# KiCad board DIP8breakout+potToUSB.kicad_pcb (continued)
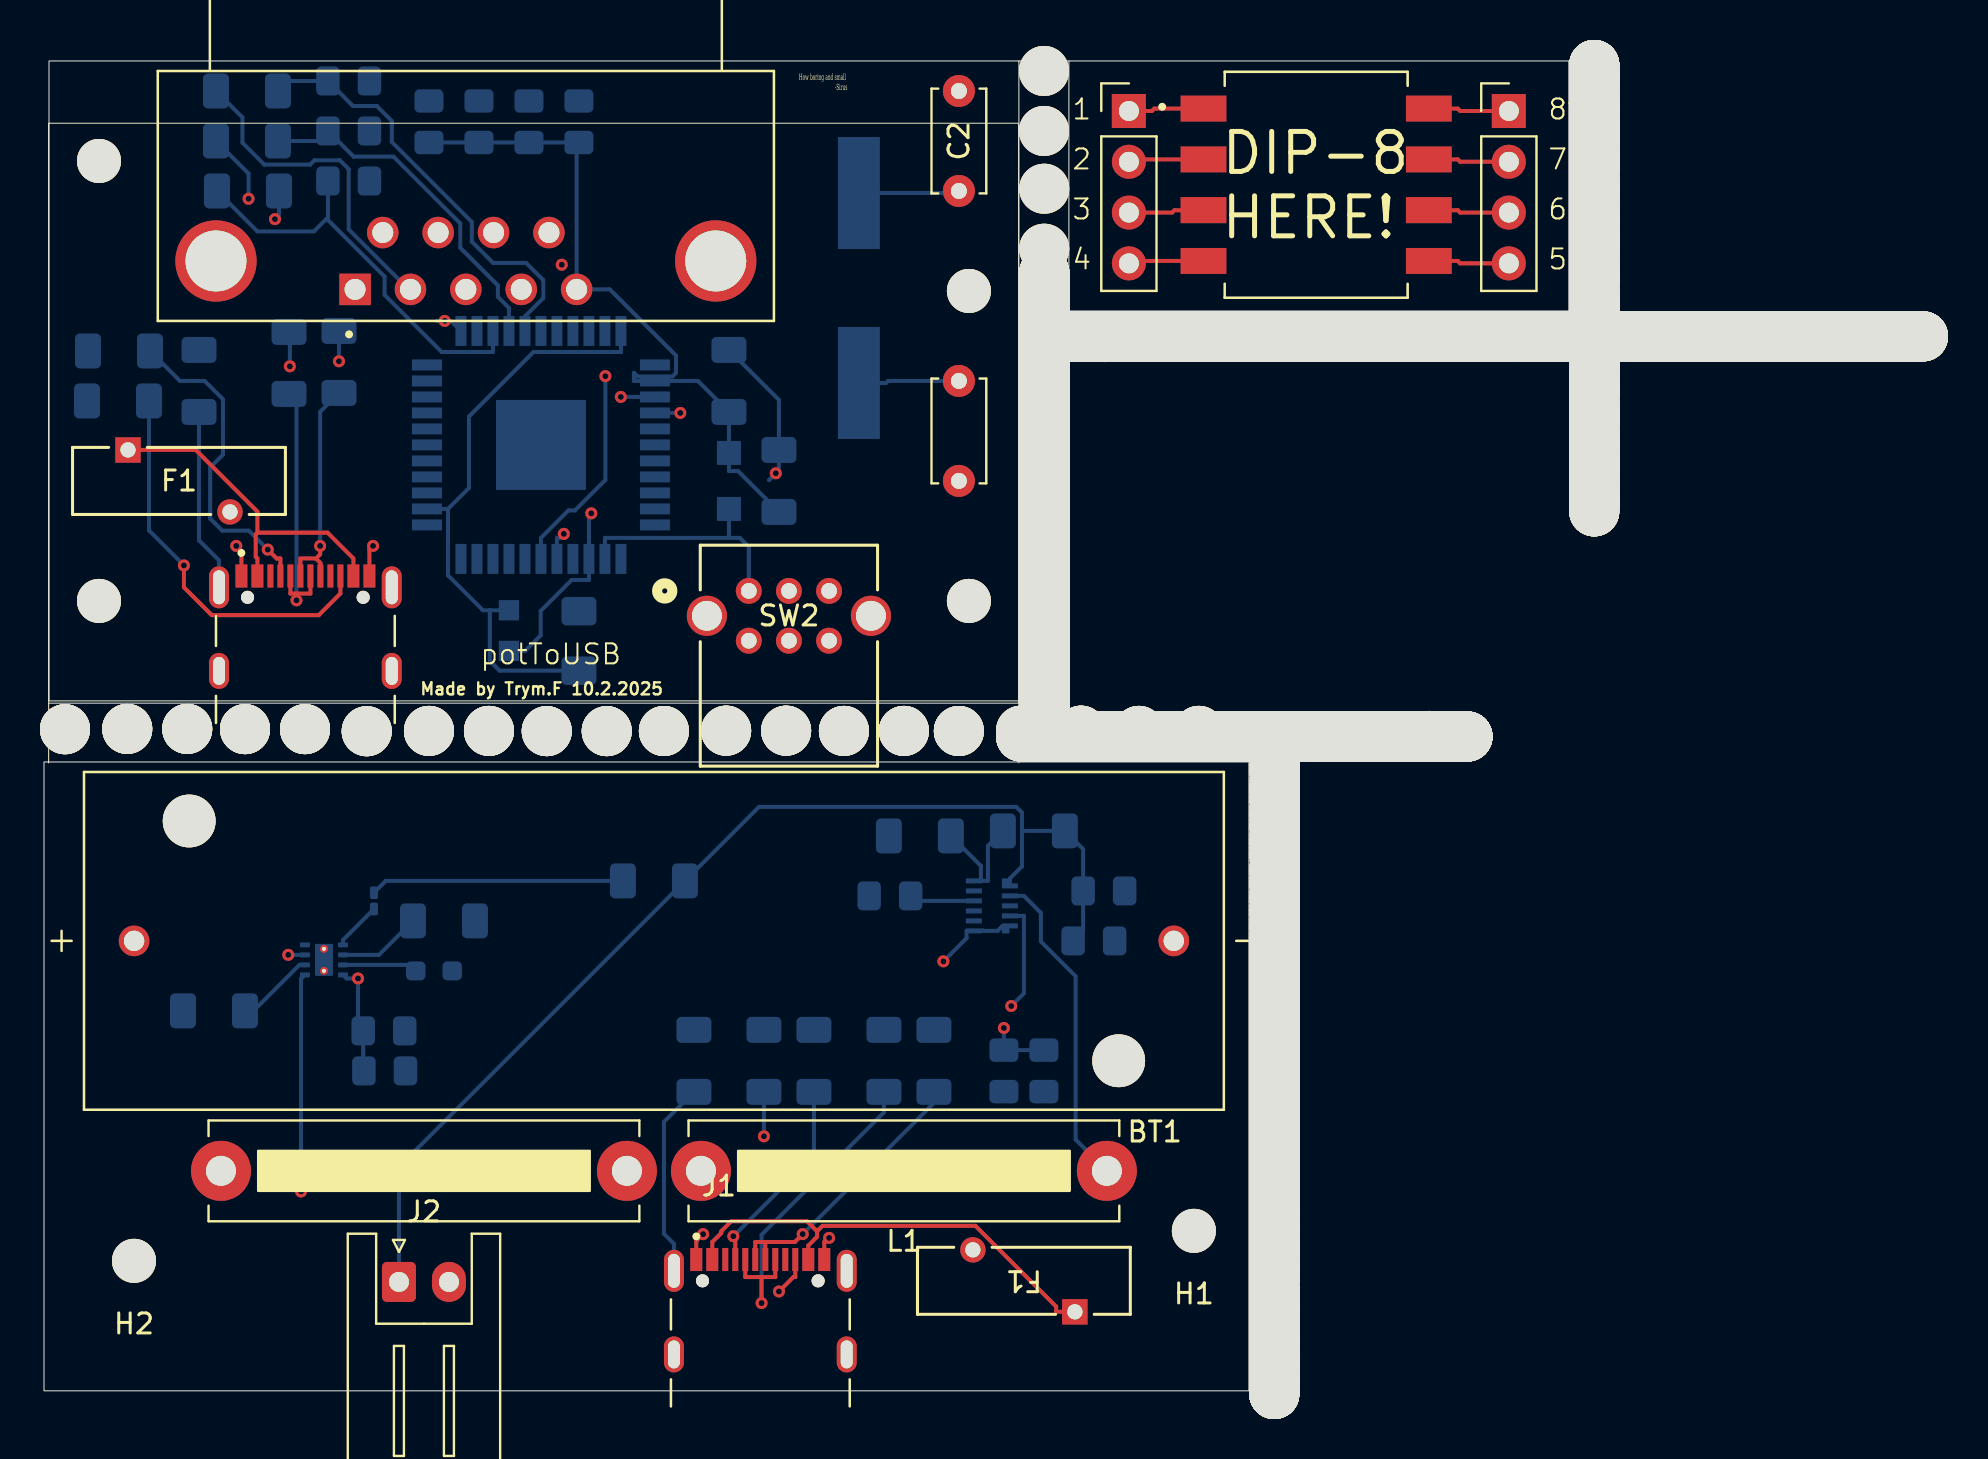
[diagram p0: board, top side]
## Placement (name value [footprint] x y rotation side) (continued)
NOREF#7177  -  [unnamed]  73.44 52.73 270 bottom
NOREF#7178  -  [unnamed]  54.28 52.73 270 bottom
NOREF#7179  -  [unnamed]  61.55 19.81 180 bottom
NOREF#7180  -  [unnamed]  61.52 11.3 0 bottom
NOREF#7181  -  [unnamed]  84.7 52.73 270 bottom
NOREF#7182  -  [unnamed]  61.52 4 0 bottom
NOREF#7183  -  [unnamed]  51.12 32.72 90 bottom
NOREF#7184  -  [unnamed]  61.52 12.9 0 bottom
NOREF#7185  -  [unnamed]  60.98 32.72 90 bottom
NOREF#7186  -  [unnamed]  61.55 22.47 180 bottom
NOREF#7187  -  [unnamed]  77.52 48.74 180 bottom
NOREF#7188  -  [unnamed]  53.78 52.73 270 bottom
NOREF#7189  -  [unnamed]  77.52 62.68 180 bottom
NOREF#7190  -  [unnamed]  89.6 52.73 270 bottom
NOREF#7191  -  [unnamed]  50.02 35.59 180 bottom
NOREF#7192  -  [unnamed]  77.52 62.48 180 bottom
NOREF#7193  -  [unnamed]  77.52 53.24 180 bottom
NOREF#7194  -  [unnamed]  61.52 16.94 0 bottom
NOREF#7195  -  [unnamed]  84.7 52.73 270 bottom
NOREF#7196  -  [unnamed]  50.02 45.71 180 bottom
NOREF#7197  -  [unnamed]  66.16 32.72 90 bottom
NOREF#7198  -  [unnamed]  61.55 12.57 180 bottom
NOREF#7199  -  [unnamed]  61.55 28.97 180 bottom
NOREF#7200  -  [unnamed]  61.55 10.01 180 bottom
NOREF#7201  -  [unnamed]  50.02 53.15 180 bottom
NOREF#7202  -  [unnamed]  28.14 32.99 90 bottom
NOREF#7203  -  [unnamed]  53.68 32.72 90 bottom
NOREF#7204  -  [unnamed]  54.48 52.73 270 bottom
NOREF#7205  -  [unnamed]  61.55 19.41 180 bottom
NOREF#7206  -  [unnamed]  50.12 32.72 90 bottom
NOREF#7207  -  [unnamed]  61.52 17.14 0 bottom
NOREF#7208  -  [unnamed]  77.52 48.54 180 bottom
NOREF#7209  -  [unnamed]  55.56 32.72 90 bottom
NOREF#7210  -  [unnamed]  61.55 22.47 180 bottom
NOREF#7211  -  [unnamed]  50.02 36.55 180 bottom
NOREF#7212  -  [unnamed]  61.98 52.73 270 bottom
NOREF#7213  -  [unnamed]  61.55 15.65 180 bottom
NOREF#7214  -  [unnamed]  50.66 32.72 90 bottom
NOREF#7215  -  [unnamed]  68.88 52.73 270 bottom
NOREF#7216  -  [unnamed]  61.52 0.7 0 bottom
NOREF#7217  -  [unnamed]  50.02 52.09 180 bottom
NOREF#7218  -  [unnamed]  50.02 46.45 180 bottom
NOREF#7219  -  [unnamed]  50.02 42.85 180 bottom
NOREF#7220  -  [unnamed]  64.38 52.73 270 bottom
NOREF#7221  -  [unnamed]  61.72 32.72 90 bottom
NOREF#7222  -  [unnamed]  77.52 59.4 180 bottom
NOREF#7223  -  [unnamed]  50.02 53.45 180 bottom
NOREF#7224  -  [unnamed]  50.02 37.95 180 bottom
NOREF#7225  -  [unnamed]  77.52 49 180 bottom
NOREF#7226  -  [unnamed]  60.98 32.72 90 bottom
NOREF#7227  -  [unnamed]  61.52 7.28 0 bottom
NOREF#7228  -  [unnamed]  53.58 52.73 270 bottom
NOREF#7229  -  [unnamed]  51.32 32.72 90 bottom
NOREF#7230  -  [unnamed]  50.02 37.21 180 bottom
NOREF#7231  -  [unnamed]  61.52 17.34 0 bottom
NOREF#7232  -  [unnamed]  60.78 52.73 270 bottom
NOREF#7233  -  [unnamed]  77.52 45.78 180 bottom
NOREF#7234  -  [unnamed]  53.22 32.72 90 bottom
NOREF#7235  -  [unnamed]  61.52 14.72 0 bottom
NOREF#7236  -  [unnamed]  61.52 15.66 0 bottom
NOREF#7237  -  [unnamed]  61.52 17.8 0 bottom
NOREF#7238  -  [unnamed]  59.26 32.72 90 bottom
NOREF#7239  -  [unnamed]  74.1 52.73 270 bottom
NOREF#7240  -  [unnamed]  61.52 20.36 0 bottom
NOREF#7241  -  [unnamed]  61.52 9.1 0 bottom
NOREF#7242  -  [unnamed]  60.58 52.73 270 bottom
NOREF#7243  -  [unnamed]  56.96 32.72 90 bottom
NOREF#7244  -  [unnamed]  58.36 52.73 270 bottom
NOREF#7245  -  [unnamed]  77.52 53.04 180 bottom
NOREF#7246  -  [unnamed]  19.25 33 90 bottom
NOREF#7247  -  [unnamed]  69.08 52.73 270 bottom
NOREF#7248  -  [unnamed]  50.02 52.29 180 bottom
NOREF#7249  -  [unnamed]  79.08 52.73 270 bottom
NOREF#7250  -  [unnamed]  68.22 52.73 270 bottom
NOREF#7251  -  [unnamed]  61.52 20.36 0 bottom
NOREF#7252  -  [unnamed]  77.52 59.06 180 bottom
NOREF#7253  -  [unnamed]  50.02 42.19 180 bottom
NOREF#7254  -  [unnamed]  68.42 52.73 270 bottom
NOREF#7255  -  [unnamed]  77.52 52.78 180 bottom
NOREF#7256  -  [unnamed]  61.55 11.21 180 bottom
NOREF#7257  -  [unnamed]  77.52 49.82 180 bottom
NOREF#7258  -  [unnamed]  77.52 49.2 180 bottom
NOREF#7259  -  [unnamed]  77.52 57.04 180 bottom
NOREF#7260  -  [unnamed]  61.55 11.87 180 bottom
NOREF#7261  -  [unnamed]  71.18 52.73 270 bottom
NOREF#7262  -  [unnamed]  77.52 65.44 180 bottom
NOREF#7263  -  [unnamed]  77.52 51.42 180 bottom
NOREF#7264  -  [unnamed]  81.64 52.73 270 bottom
NOREF#7265  -  [unnamed]  55.28 52.73 270 bottom
NOREF#7266  -  [unnamed]  73.7 52.73 270 bottom
NOREF#7267  -  [unnamed]  61.52 18.14 0 bottom
NOREF#7268  -  [unnamed]  61.55 14.17 180 bottom
NOREF#7269  -  [unnamed]  77.52 48 180 bottom
NOREF#7270  -  [unnamed]  53.62 32.72 90 bottom
NOREF#7271  -  [unnamed]  59.52 32.72 90 bottom
NOREF#7272  -  [unnamed]  61.52 8.24 0 bottom
NOREF#7273  -  [unnamed]  50.02 35.85 180 bottom
NOREF#7274  -  [unnamed]  61.52 6.54 0 bottom
NOREF#7275  -  [unnamed]  77.52 46.24 180 bottom
NOREF#7276  -  [unnamed]  61.52 1.24 0 bottom
NOREF#7277  -  [unnamed]  43 33 90 bottom
NOREF#7278  -  [unnamed]  69.82 52.73 270 bottom
NOREF#7279  -  [unnamed]  82.7 52.73 270 bottom
NOREF#7280  -  [unnamed]  91.3 52.73 270 bottom
NOREF#7281  -  [unnamed]  77.52 54.18 180 bottom
NOREF#7282  -  [unnamed]  81.84 52.73 270 bottom
NOREF#7283  -  [unnamed]  58.12 32.72 90 bottom
NOREF#7284  -  [unnamed]  61.55 31.93 180 bottom
NOREF#7285  -  [unnamed]  61.52 9.1 0 bottom
NOREF#7286  -  [unnamed]  61.52 6.34 0 bottom
NOREF#7287  -  [unnamed]  68.02 52.73 270 bottom
NOREF#7288  -  [unnamed]  90.6 52.73 270 bottom
NOREF#7289  -  [unnamed]  74.1 52.73 270 bottom
NOREF#7290  -  [unnamed]  84.7 52.73 270 bottom
NOREF#7291  -  [unnamed]  50.02 50.07 180 bottom
NOREF#7292  -  [unnamed]  77.52 61.28 180 bottom
NOREF#7293  -  [unnamed]  77.52 55.64 180 bottom
NOREF#7294  -  [unnamed]  50.02 49.21 180 bottom
NOREF#7295  -  [unnamed]  61.52 16.32 0 bottom
NOREF#7296  -  [unnamed]  60.72 32.72 90 bottom
NOREF#7297  -  [unnamed]  77.06 52.73 270 bottom
NOREF#7298  -  [unnamed]  61.55 17.71 180 bottom
NOREF#7299  -  [unnamed]  63.94 32.72 90 bottom
NOREF#7300  -  [unnamed]  77.52 50.02 180 bottom
NOREF#7301  -  [unnamed]  61.55 25.89 180 bottom
NOREF#7302  -  [unnamed]  77.52 65.04 180 bottom
NOREF#7303  -  [unnamed]  77.52 45.58 180 bottom
NOREF#7304  -  [unnamed]  91.9 52.73 270 bottom
NOREF#7305  -  [unnamed]  86.06 52.73 270 bottom
NOREF#7306  -  [unnamed]  69.82 52.73 270 bottom
NOREF#7307  -  [unnamed]  61.55 28.11 180 bottom
NOREF#7308  -  [unnamed]  66.16 32.72 90 bottom
NOREF#7309  -  [unnamed]  50.02 50.89 180 bottom
NOREF#7310  -  [unnamed]  50.02 38.35 180 bottom
NOREF#7311  -  [unnamed]  50.02 37.95 180 bottom
NOREF#7312  -  [unnamed]  61.52 9.3 0 bottom
NOREF#7313  -  [unnamed]  77.52 49 180 bottom
NOREF#7314  -  [unnamed]  77.52 49.2 180 bottom
NOREF#7315  -  [unnamed]  77.52 56.5 180 bottom
NOREF#7316  -  [unnamed]  61.55 26.09 180 bottom
NOREF#7317  -  [unnamed]  68.22 52.73 270 bottom
NOREF#7318  -  [unnamed]  50.46 32.72 90 bottom
NOREF#7319  -  [unnamed]  53.22 32.72 90 bottom
NOREF#7320  -  [unnamed]  52.92 52.73 270 bottom
NOREF#7321  -  [unnamed]  63.04 52.73 270 bottom
NOREF#7322  -  [unnamed]  62.78 52.73 270 bottom
NOREF#7323  -  [unnamed]  61.52 15.66 0 bottom
NOREF#7324  -  [unnamed]  50.02 49.61 180 bottom
NOREF#7325  -  [unnamed]  87.66 52.73 270 bottom
NOREF#7326  -  [unnamed]  49.52 32.72 90 bottom
NOREF#7327  -  [unnamed]  88.94 52.73 270 bottom
NOREF#7328  -  [unnamed]  52.48 32.72 90 bottom
NOREF#7329  -  [unnamed]  80.44 52.73 270 bottom
NOREF#7330  -  [unnamed]  50.02 41.69 180 bottom
NOREF#7331  -  [unnamed]  83.1 52.73 270 bottom
NOREF#7332  -  [unnamed]  61.55 25.23 180 bottom
NOREF#7333  -  [unnamed]  61.55 20.47 180 bottom
NOREF#7334  -  [unnamed]  50.02 46.91 180 bottom
NOREF#7335  -  [unnamed]  61.55 12.07 180 bottom
NOREF#7336  -  [unnamed]  50.02 44.25 180 bottom
NOREF#7337  -  [unnamed]  60.52 32.72 90 bottom
NOREF#7338  -  [unnamed]  63.54 32.72 90 bottom
NOREF#7339  -  [unnamed]  61.72 32.72 90 bottom
NOREF#7340  -  [unnamed]  62.38 52.73 270 bottom
NOREF#7341  -  [unnamed]  77.52 50.22 180 bottom
NOREF#7342  -  [unnamed]  50.02 54.85 180 bottom
NOREF#7343  -  [unnamed]  71.18 32.72 90 bottom
NOREF#7344  -  [unnamed]  61.98 52.73 270 bottom
NOREF#7345  -  [unnamed]  61.52 4.2 0 bottom
NOREF#7346  -  [unnamed]  37.11 33.01 90 bottom
NOREF#7347  -  [unnamed]  61.55 23.13 180 bottom
NOREF#7348  -  [unnamed]  61.55 17.05 180 bottom
NOREF#7349  -  [unnamed]  61.18 32.72 90 bottom
NOREF#7350  -  [unnamed]  53.12 52.73 270 bottom
NOREF#7351  -  [unnamed]  63.28 32.72 90 bottom
NOREF#7352  -  [unnamed]  60.12 52.73 270 bottom
NOREF#7353  -  [unnamed]  61.55 16.31 180 bottom
NOREF#7354  -  [unnamed]  61.55 18.87 180 bottom
NOREF#7355  -  [unnamed]  50.02 48.47 180 bottom
NOREF#7356  -  [unnamed]  50.02 42.19 180 bottom
NOREF#7357  -  [unnamed]  61.52 3 0 bottom
NOREF#7358  -  [unnamed]  78.34 52.73 270 bottom
NOREF#7359  -  [unnamed]  60.78 32.72 90 bottom
NOREF#7360  -  [unnamed]  61.52 8.64 0 bottom
NOREF#7361  -  [unnamed]  58.36 52.73 270 bottom
NOREF#7362  -  [unnamed]  70.52 32.72 90 bottom
NOREF#7363  -  [unnamed]  50.02 51.55 180 bottom
NOREF#7364  -  [unnamed]  61.55 14.83 180 bottom
NOREF#7365  -  [unnamed]  49.06 32.72 90 bottom
NOREF#7366  -  [unnamed]  77.52 63.14 180 bottom
NOREF#7367  -  [unnamed]  60.52 32.72 90 bottom
NOREF#7368  -  [unnamed]  61.52 10.7 0 bottom
NOREF#7369  -  [unnamed]  61.52 11.7 0 bottom
NOREF#7370  -  [unnamed]  61.52 4.86 0 bottom
NOREF#7371  -  [unnamed]  61.55 19.07 180 bottom
NOREF#7372  -  [unnamed]  61.52 2.1 0 bottom
NOREF#7373  -  [unnamed]  70.12 32.72 90 bottom
NOREF#7374  -  [unnamed]  77.52 49.4 180 bottom
NOREF#7375  -  [unnamed]  60.98 32.72 90 bottom
NOREF#7376  -  [unnamed]  49.26 32.72 90 bottom
NOREF#7377  -  [unnamed]  61.52 21.3 0 bottom
NOREF#7378  -  [unnamed]  61.55 21.07 180 bottom
NOREF#7379  -  [unnamed]  61.52 3.46 0 bottom
NOREF#7380  -  [unnamed]  50.02 52.09 180 bottom
NOREF#7381  -  [unnamed]  85.36 52.73 270 bottom
NOREF#7382  -  [unnamed]  64.64 52.73 270 bottom
NOREF#7383  -  [unnamed]  50.02 41.03 180 bottom
NOREF#7384  -  [unnamed]  77.52 59.8 180 bottom
NOREF#7385  -  [unnamed]  70.12 32.72 90 bottom
NOREF#7386  -  [unnamed]  87.26 52.73 270 bottom
NOREF#7387  -  [unnamed]  74.6 52.73 270 bottom
NOREF#7388  -  [unnamed]  50.02 48.67 180 bottom
NOREF#7389  -  [unnamed]  79.54 52.73 270 bottom
NOREF#7390  -  [unnamed]  50.02 50.07 180 bottom
NOREF#7391  -  [unnamed]  61.55 25.69 180 bottom
NOREF#7392  -  [unnamed]  61.52 19.7 0 bottom
NOREF#7393  -  [unnamed]  69.78 32.72 90 bottom
NOREF#7394  -  [unnamed]  77.52 44.58 180 bottom
NOREF#7395  -  [unnamed]  61.55 16.11 180 bottom
NOREF#7396  -  [unnamed]  85.36 52.73 270 bottom
NOREF#7397  -  [unnamed]  61.55 20.27 180 bottom
NOREF#7398  -  [unnamed]  61.55 28.77 180 bottom
NOREF#7399  -  [unnamed]  51.52 32.72 90 bottom
NOREF#7400  -  [unnamed]  77.52 44.64 180 bottom
NOREF#7401  -  [unnamed]  50.02 39.63 180 bottom
NOREF#7402  -  [unnamed]  64.84 52.73 270 bottom
NOREF#7403  -  [unnamed]  57.62 52.73 270 bottom
NOREF#7404  -  [unnamed]  57.46 32.72 90 bottom
NOREF#7405  -  [unnamed]  61.52 13.36 0 bottom
NOREF#7406  -  [unnamed]  57.16 52.73 270 bottom
NOREF#7407  -  [unnamed]  61.52 15.86 0 bottom
NOREF#7408  -  [unnamed]  58.32 32.72 90 bottom
NOREF#7409  -  [unnamed]  77.52 63.84 180 bottom
NOREF#7410  -  [unnamed]  73.64 52.73 270 bottom
NOREF#7411  -  [unnamed]  61.52 22.16 0 bottom
NOREF#7412  -  [unnamed]  61.52 7.94 0 bottom
NOREF#7413  -  [unnamed]  62.18 32.72 90 bottom
NOREF#7414  -  [unnamed]  77.52 55.9 180 bottom
NOREF#7415  -  [unnamed]  61.55 28.51 180 bottom
NOREF#7416  -  [unnamed]  50.02 41.69 180 bottom
NOREF#7417  -  [unnamed]  85.16 52.73 270 bottom
NOREF#7418  -  [unnamed]  61.52 6.34 0 bottom
NOREF#7419  -  [unnamed]  80.9 52.73 270 bottom
NOREF#7420  -  [unnamed]  65.14 32.72 90 bottom
NOREF#7421  -  [unnamed]  61.55 16.85 180 bottom
NOREF#7422  -  [unnamed]  63.28 32.72 90 bottom
NOREF#7423  -  [unnamed]  80.24 52.73 270 bottom
NOREF#7424  -  [unnamed]  64.18 52.73 270 bottom
NOREF#7425  -  [unnamed]  59.72 32.72 90 bottom
NOREF#7426  -  [unnamed]  59.52 32.72 90 bottom
NOREF#7427  -  [unnamed]  73.24 52.73 270 bottom
NOREF#7428  -  [unnamed]  77.52 50.28 180 bottom
NOREF#7429  -  [unnamed]  77.52 64.7 180 bottom
NOREF#7430  -  [unnamed]  77.52 61.94 180 bottom
NOREF#7431  -  [unnamed]  61.52 32.72 90 bottom
NOREF#7432  -  [unnamed]  57.82 52.73 270 bottom
NOREF#7433  -  [unnamed]  85.36 52.73 270 bottom
NOREF#7434  -  [unnamed]  69.62 52.73 270 bottom
NOREF#7435  -  [unnamed]  52.38 52.73 270 bottom
NOREF#7436  -  [unnamed]  81.64 52.73 270 bottom
NOREF#7437  -  [unnamed]  56.14 52.73 270 bottom
NOREF#7438  -  [unnamed]  76.2 52.73 270 bottom
NOREF#7439  -  [unnamed]  62.38 32.72 90 bottom
NOREF#7440  -  [unnamed]  61.55 24.49 180 bottom
NOREF#7441  -  [unnamed]  67.02 32.72 90 bottom
NOREF#7442  -  [unnamed]  77.52 57.5 180 bottom
NOREF#7443  -  [unnamed]  77.52 52.58 180 bottom
NOREF#7444  -  [unnamed]  52.48 32.72 90 bottom
NOREF#7445  -  [unnamed]  61.55 23.83 180 bottom
NOREF#7446  -  [unnamed]  54.28 32.72 90 bottom
NOREF#7447  -  [unnamed]  71.84 52.73 270 bottom
NOREF#7448  -  [unnamed]  50.02 55.71 180 bottom
NOREF#7449  -  [unnamed]  55.68 52.73 270 bottom
NOREF#7450  -  [unnamed]  50.02 50.89 180 bottom
NOREF#7451  -  [unnamed]  70.78 32.72 90 bottom
NOREF#7452  -  [unnamed]  77.52 60.06 180 bottom
NOREF#7453  -  [unnamed]  54.54 52.73 270 bottom
NOREF#7454  -  [unnamed]  86.72 52.73 270 bottom
NOREF#7455  -  [unnamed]  61.52 20.1 0 bottom
NOREF#7456  -  [unnamed]  61.52 19 0 bottom
NOREF#7457  -  [unnamed]  71.64 52.73 270 bottom
NOREF#7458  -  [unnamed]  68.02 32.72 90 bottom
NOREF#7459  -  [unnamed]  16.14 32.98 90 bottom
NOREF#7460  -  [unnamed]  77.52 61.94 180 bottom
NOREF#7461  -  [unnamed]  61.52 9.1 0 bottom
NOREF#7462  -  [unnamed]  50.02 47.11 180 bottom
NOREF#7463  -  [unnamed]  61.55 21.27 180 bottom
NOREF#7464  -  [unnamed]  52.02 32.72 90 bottom
NOREF#7465  -  [unnamed]  61.52 19.9 0 bottom
NOREF#7466  -  [unnamed]  89.6 52.73 270 bottom
NOREF#7467  -  [unnamed]  86.06 52.73 270 bottom
NOREF#7468  -  [unnamed]  61.52 0.7 0 bottom
NOREF#7469  -  [unnamed]  61.52 4.86 0 bottom
NOREF#7470  -  [unnamed]  77.52 55.84 180 bottom
NOREF#7471  -  [unnamed]  77.52 62.48 180 bottom
NOREF#7472  -  [unnamed]  61.52 14.92 0 bottom
NOREF#7473  -  [unnamed]  68.68 52.73 270 bottom
NOREF#7474  -  [unnamed]  61.55 10.67 180 bottom
NOREF#7475  -  [unnamed]  73.24 52.73 270 bottom
NOREF#7476  -  [unnamed]  77.52 56.84 180 bottom
NOREF#7477  -  [unnamed]  50.02 40.09 180 bottom
NOREF#7478  -  [unnamed]  52.92 52.73 270 bottom
NOREF#7479  -  [unnamed]  61.55 12.77 180 bottom
NOREF#7480  -  [unnamed]  61.78 52.73 270 bottom
NOREF#7481  -  [unnamed]  61.55 17.25 180 bottom
NOREF#7482  -  [unnamed]  61.52 8.64 0 bottom
NOREF#7483  -  [unnamed]  54.74 52.73 270 bottom
NOREF#7484  -  [unnamed]  50.02 40.83 180 bottom
NOREF#7485  -  [unnamed]  61.55 10.87 180 bottom
NOREF#7486  -  [unnamed]  77.52 52.08 180 bottom
NOREF#7487  -  [unnamed]  77.52 58.2 180 bottom
NOREF#7488  -  [unnamed]  90.14 52.73 270 bottom
NOREF#7489  -  [unnamed]  62.78 32.72 90 bottom
NOREF#7490  -  [unnamed]  50.02 46.65 180 bottom
NOREF#7491  -  [unnamed]  61.55 25.23 180 bottom
NOREF#7492  -  [unnamed]  53.38 52.73 270 bottom
NOREF#7493  -  [unnamed]  50.02 48.67 180 bottom
NOREF#7494  -  [unnamed]  60.58 52.73 270 bottom
NOREF#7495  -  [unnamed]  88.94 52.73 270 bottom
NOREF#7496  -  [unnamed]  61.52 12.7 0 bottom
NOREF#7497  -  [unnamed]  50.02 49.67 180 bottom
NOREF#7498  -  [unnamed]  83.5 52.73 270 bottom
NOREF#7499  -  [unnamed]  77.52 44.84 180 bottom
NOREF#7500  -  [unnamed]  77.52 46.74 180 bottom
NOREF#7501  -  [unnamed]  61.55 9.81 180 bottom
NOREF#7502  -  [unnamed]  61.52 6.08 0 bottom
NOREF#7503  -  [unnamed]  61.52 6.54 0 bottom
NOREF#7504  -  [unnamed]  50.02 45.25 180 bottom
NOREF#7505  -  [unnamed]  61.55 28.97 180 bottom
NOREF#7506  -  [unnamed]  62.38 32.72 90 bottom
NOREF#7507  -  [unnamed]  71.84 52.73 270 bottom
NOREF#7508  -  [unnamed]  77.52 63.54 180 bottom
NOREF#7509  -  [unnamed]  72.5 52.73 270 bottom
NOREF#7510  -  [unnamed]  61.55 17.71 180 bottom
NOREF#7511  -  [unnamed]  77.52 56.84 180 bottom
NOREF#7512  -  [unnamed]  61.55 22.67 180 bottom
NOREF#7513  -  [unnamed]  50.02 52.29 180 bottom
NOREF#7514  -  [unnamed]  75.66 52.73 270 bottom
NOREF#7515  -  [unnamed]  61.55 15.45 180 bottom
NOREF#7516  -  [unnamed]  77.52 46.94 180 bottom
NOREF#7517  -  [unnamed]  50.02 36.75 180 bottom
NOREF#7518  -  [unnamed]  61.55 26.71 180 bottom
NOREF#7519  -  [unnamed]  86.72 52.73 270 bottom
NOREF#7520  -  [unnamed]  52.18 52.73 270 bottom
NOREF#7521  -  [unnamed]  61.52 17.6 0 bottom
NOREF#7522  -  [unnamed]  61.52 12.7 0 bottom
NOREF#7523  -  [unnamed]  61.52 17.4 0 bottom
NOREF#7524  -  [unnamed]  77.52 48.54 180 bottom
NOREF#7525  -  [unnamed]  77.52 51.62 180 bottom
NOREF#7526  -  [unnamed]  50.02 45.91 180 bottom
NOREF#7527  -  [unnamed]  77.52 54.84 180 bottom
NOREF#7528  -  [unnamed]  80.7 52.73 270 bottom
NOREF#7529  -  [unnamed]  56.1 32.72 90 bottom
NOREF#7530  -  [unnamed]  62.18 52.73 270 bottom
NOREF#7531  -  [unnamed]  55.68 52.73 270 bottom
NOREF#7532  -  [unnamed]  61.32 52.73 270 bottom
NOREF#7533  -  [unnamed]  61.52 6.14 0 bottom
NOREF#7534  -  [unnamed]  61.55 14.63 180 bottom
NOREF#7535  -  [unnamed]  76.66 52.73 270 bottom
NOREF#7536  -  [unnamed]  79.74 52.73 270 bottom
NOREF#7537  -  [unnamed]  61.55 13.03 180 bottom
NOREF#7538  -  [unnamed]  70.32 32.72 90 bottom
NOREF#7539  -  [unnamed]  50.02 44.85 180 bottom
NOREF#7540  -  [unnamed]  56.96 32.72 90 bottom
NOREF#7541  -  [unnamed]  61.52 19.2 0 bottom
NOREF#7542  -  [unnamed]  77.52 50.68 180 bottom
NOREF#7543  -  [unnamed]  61.55 24.23 180 bottom
NOREF#7544  -  [unnamed]  77.52 48.34 180 bottom
NOREF#7545  -  [unnamed]  61.55 17.91 180 bottom
NOREF#7546  -  [unnamed]  77.52 50.48 180 bottom
NOREF#7547  -  [unnamed]  49.26 32.72 90 bottom
NOREF#7548  -  [unnamed]  50.02 42.39 180 bottom
NOREF#7549  -  [unnamed]  50.02 38.81 180 bottom
NOREF#7550  -  [unnamed]  77.52 62.94 180 bottom
NOREF#7551  -  [unnamed]  50.02 42.39 180 bottom
NOREF#7552  -  [unnamed]  50.02 47.11 180 bottom
NOREF#7553  -  [unnamed]  61.55 21.27 180 bottom
NOREF#7554  -  [unnamed]  61.55 19.07 180 bottom
NOREF#7555  -  [unnamed]  77.52 47.8 180 bottom
NOREF#7556  -  [unnamed]  77.52 49.82 180 bottom
NOREF#7557  -  [unnamed]  61.55 10.47 180 bottom
NOREF#7558  -  [unnamed]  64.28 32.72 90 bottom
NOREF#7559  -  [unnamed]  22.25 33 90 bottom
NOREF#7560  -  [unnamed]  65.54 32.72 90 bottom
NOREF#7561  -  [unnamed]  61.55 11.21 180 bottom
NOREF#7562  -  [unnamed]  59.42 52.73 270 bottom
NOREF#7563  -  [unnamed]  59.92 32.72 90 bottom
NOREF#7564  -  [unnamed]  63.98 52.73 270 bottom
NOREF#7565  -  [unnamed]  54.28 52.73 270 bottom
NOREF#7566  -  [unnamed]  77.52 55.64 180 bottom
NOREF#7567  -  [unnamed]  61.55 21.73 180 bottom
NOREF#7568  -  [unnamed]  50.02 48.47 180 bottom
NOREF#7569  -  [unnamed]  77.52 64.5 180 bottom
NOREF#7570  -  [unnamed]  68.72 32.72 90 bottom
NOREF#7571  -  [unnamed]  61.55 27.57 180 bottom
NOREF#7572  -  [unnamed]  51.52 52.73 270 bottom
NOREF#7573  -  [unnamed]  61.52 17.14 0 bottom
NOREF#7574  -  [unnamed]  61.55 30.33 180 bottom
NOREF#7575  -  [unnamed]  90.14 52.73 270 bottom
NOREF#7576  -  [unnamed]  61.55 29.17 180 bottom
NOREF#7577  -  [unnamed]  61.52 4.66 0 bottom
NOREF#7578  -  [unnamed]  85.86 52.73 270 bottom
NOREF#7579  -  [unnamed]  61.55 17.51 180 bottom
NOREF#7580  -  [unnamed]  60.58 52.73 270 bottom
NOREF#7581  -  [unnamed]  56.76 32.72 90 bottom
NOREF#7582  -  [unnamed]  61.52 15.26 0 bottom
NOREF#7583  -  [unnamed]  50.02 55.91 180 bottom
NOREF#7584  -  [unnamed]  70.98 32.72 90 bottom
NOREF#7585  -  [unnamed]  50.02 36.75 180 bottom
NOREF#7586  -  [unnamed]  61.52 0.9 0 bottom
NOREF#7587  -  [unnamed]  52.68 32.72 90 bottom
NOREF#7588  -  [unnamed]  64.48 32.72 90 bottom
NOREF#7589  -  [unnamed]  50.02 52.75 180 bottom
NOREF#7590  -  [unnamed]  61.52 5.06 0 bottom
NOREF#7591  -  [unnamed]  61.52 7.74 0 bottom
NOREF#7592  -  [unnamed]  77.52 52.58 180 bottom
NOREF#7593  -  [unnamed]  77.52 60.46 180 bottom
NOREF#7594  -  [unnamed]  67.4 52.73 270 bottom
NOREF#7595  -  [unnamed]  77.52 44.18 180 bottom
NOREF#7596  -  [unnamed]  61.55 22.67 180 bottom
NOREF#7597  -  [unnamed]  50.02 33.99 180 bottom
NOREF#7598  -  [unnamed]  93.56 52.73 270 bottom
NOREF#7599  -  [unnamed]  50.02 55.71 180 bottom
NOREF#7600  -  [unnamed]  87.92 52.73 270 bottom
NOREF#7601  -  [unnamed]  61.55 18.87 180 bottom
NOREF#7602  -  [unnamed]  66.16 32.72 90 bottom
NOREF#7603  -  [unnamed]  61.55 13.43 180 bottom
NOREF#7604  -  [unnamed]  50.02 34.65 180 bottom
NOREF#7605  -  [unnamed]  52.18 52.73 270 bottom
NOREF#7606  -  [unnamed]  63.74 32.72 90 bottom
NOREF#7607  -  [unnamed]  88.74 52.73 270 bottom
NOREF#7608  -  [unnamed]  88.32 52.73 270 bottom
NOREF#7609  -  [unnamed]  54.9 32.72 90 bottom
NOREF#7610  -  [unnamed]  77.52 62.48 180 bottom
NOREF#7611  -  [unnamed]  61.52 11.3 0 bottom
NOREF#7612  -  [unnamed]  61.52 10.04 0 bottom
NOREF#7613  -  [unnamed]  50.02 43.25 180 bottom
NOREF#7614  -  [unnamed]  77.52 45.98 180 bottom
NOREF#7615  -  [unnamed]  71.38 52.73 270 bottom
NOREF#7616  -  [unnamed]  81.1 52.73 270 bottom
NOREF#7617  -  [unnamed]  50.02 40.29 180 bottom
NOREF#7618  -  [unnamed]  61.52 12.9 0 bottom
NOREF#7619  -  [unnamed]  70.78 32.72 90 bottom
NOREF#7620  -  [unnamed]  87.92 52.73 270 bottom
NOREF#7621  -  [unnamed]  50.02 53.65 180 bottom
NOREF#7622  -  [unnamed]  55.48 52.73 270 bottom
NOREF#7623  -  [unnamed]  61.52 11.5 0 bottom
NOREF#7624  -  [unnamed]  61.52 10.7 0 bottom
NOREF#7625  -  [unnamed]  50.02 52.95 180 bottom
NOREF#7626  -  [unnamed]  65.14 52.73 270 bottom
NOREF#7627  -  [unnamed]  66.2 52.73 270 bottom
NOREF#7628  -  [unnamed]  63.74 32.72 90 bottom
NOREF#7629  -  [unnamed]  61.52 5.68 0 bottom
NOREF#7630  -  [unnamed]  66.94 52.73 270 bottom
NOREF#7631  -  [unnamed]  90.14 52.73 270 bottom
NOREF#7632  -  [unnamed]  61.55 26.09 180 bottom
NOREF#7633  -  [unnamed]  88.74 52.73 270 bottom
NOREF#7634  -  [unnamed]  53.22 32.72 90 bottom
NOREF#7635  -  [unnamed]  92.36 52.73 270 bottom
NOREF#7636  -  [unnamed]  77.28 52.73 270 bottom
NOREF#7637  -  [unnamed]  77.52 44.38 180 bottom
NOREF#7638  -  [unnamed]  65.04 52.73 270 bottom
NOREF#7639  -  [unnamed]  61.52 0.04 0 bottom
NOREF#7640  -  [unnamed]  50.02 35.39 180 bottom
NOREF#7641  -  [unnamed]  77.52 55.24 180 bottom
NOREF#7642  -  [unnamed]  61.52 12.7 0 bottom
NOREF#7643  -  [unnamed]  59.92 52.73 270 bottom
NOREF#7644  -  [unnamed]  51.32 32.72 90 bottom
NOREF#7645  -  [unnamed]  84.9 52.73 270 bottom
NOREF#7646  -  [unnamed]  70.98 32.72 90 bottom
NOREF#7647  -  [unnamed]  61.98 52.73 270 bottom
NOREF#7648  -  [unnamed]  50.02 34.85 180 bottom
NOREF#7649  -  [unnamed]  72.58 52.73 270 bottom
NOREF#7650  -  [unnamed]  91.96 52.73 270 bottom
NOREF#7651  -  [unnamed]  68.22 32.72 90 bottom
NOREF#7652  -  [unnamed]  58.56 52.73 270 bottom
NOREF#7653  -  [unnamed]  91.7 52.73 270 bottom
NOREF#7654  -  [unnamed]  50.02 36.35 180 bottom
NOREF#7655  -  [unnamed]  50.02 37.41 180 bottom
NOREF#7656  -  [unnamed]  77.52 62.88 180 bottom
NOREF#7657  -  [unnamed]  88.12 52.73 270 bottom
NOREF#7658  -  [unnamed]  78.54 52.73 270 bottom
NOREF#7659  -  [unnamed]  84.5 52.73 270 bottom
NOREF#7660  -  [unnamed]  61.52 0.04 0 bottom
NOREF#7661  -  [unnamed]  65.54 52.73 270 bottom
NOREF#7662  -  [unnamed]  77.52 60.26 180 bottom
NOREF#7663  -  [unnamed]  89.14 52.73 270 bottom
NOREF#7664  -  [unnamed]  77.52 56.1 180 bottom
NOREF#7665  -  [unnamed]  49.92 32.72 90 bottom
NOREF#7666  -  [unnamed]  59.06 32.72 90 bottom
NOREF#7667  -  [unnamed]  65.34 52.73 270 bottom
NOREF#7668  -  [unnamed]  55.48 52.73 270 bottom
NOREF#7669  -  [unnamed]  64.18 52.73 270 bottom
NOREF#7670  -  [unnamed]  73.04 52.73 270 bottom
NOREF#7671  -  [unnamed]  61.55 10.67 180 bottom
NOREF#7672  -  [unnamed]  92.7 52.73 270 bottom
NOREF#7673  -  [unnamed]  62.58 32.72 90 bottom
NOREF#7674  -  [unnamed]  77.52 60.88 180 bottom
NOREF#7675  -  [unnamed]  61.55 26.09 180 bottom
NOREF#7676  -  [unnamed]  50.02 54.11 180 bottom
NOREF#7677  -  [unnamed]  80.24 52.73 270 bottom
NOREF#7678  -  [unnamed]  55.94 52.73 270 bottom
NOREF#7679  -  [unnamed]  61.52 14.26 0 bottom
NOREF#7680  -  [unnamed]  61.52 21.76 0 bottom
NOREF#7681  -  [unnamed]  61.55 27.77 180 bottom
NOREF#7682  -  [unnamed]  77.52 64.5 180 bottom
NOREF#7683  -  [unnamed]  50.02 35.19 180 bottom
NOREF#7684  -  [unnamed]  63.44 52.73 270 bottom
NOREF#7685  -  [unnamed]  56.76 32.72 90 bottom
NOREF#7686  -  [unnamed]  61.55 30.13 180 bottom
NOREF#7687  -  [unnamed]  50.02 49.87 180 bottom
NOREF#7688  -  [unnamed]  82.5 52.73 270 bottom
NOREF#7689  -  [unnamed]  61.52 19 0 bottom
NOREF#7690  -  [unnamed]  61.55 28.77 180 bottom
NOREF#7691  -  [unnamed]  61.12 52.73 270 bottom